# Altium PCB 主控板20160428.PcbDoc (part 2 of 2)
Units mm, origin at the board's own origin, x right, y up, seen from the top; angles counter-clockwise.
Board outline 105 x 80 mm, 2 copper layers (Top Layer, Bottom Layer); 169 components, 200 nets, 742 pads, 250 vias.
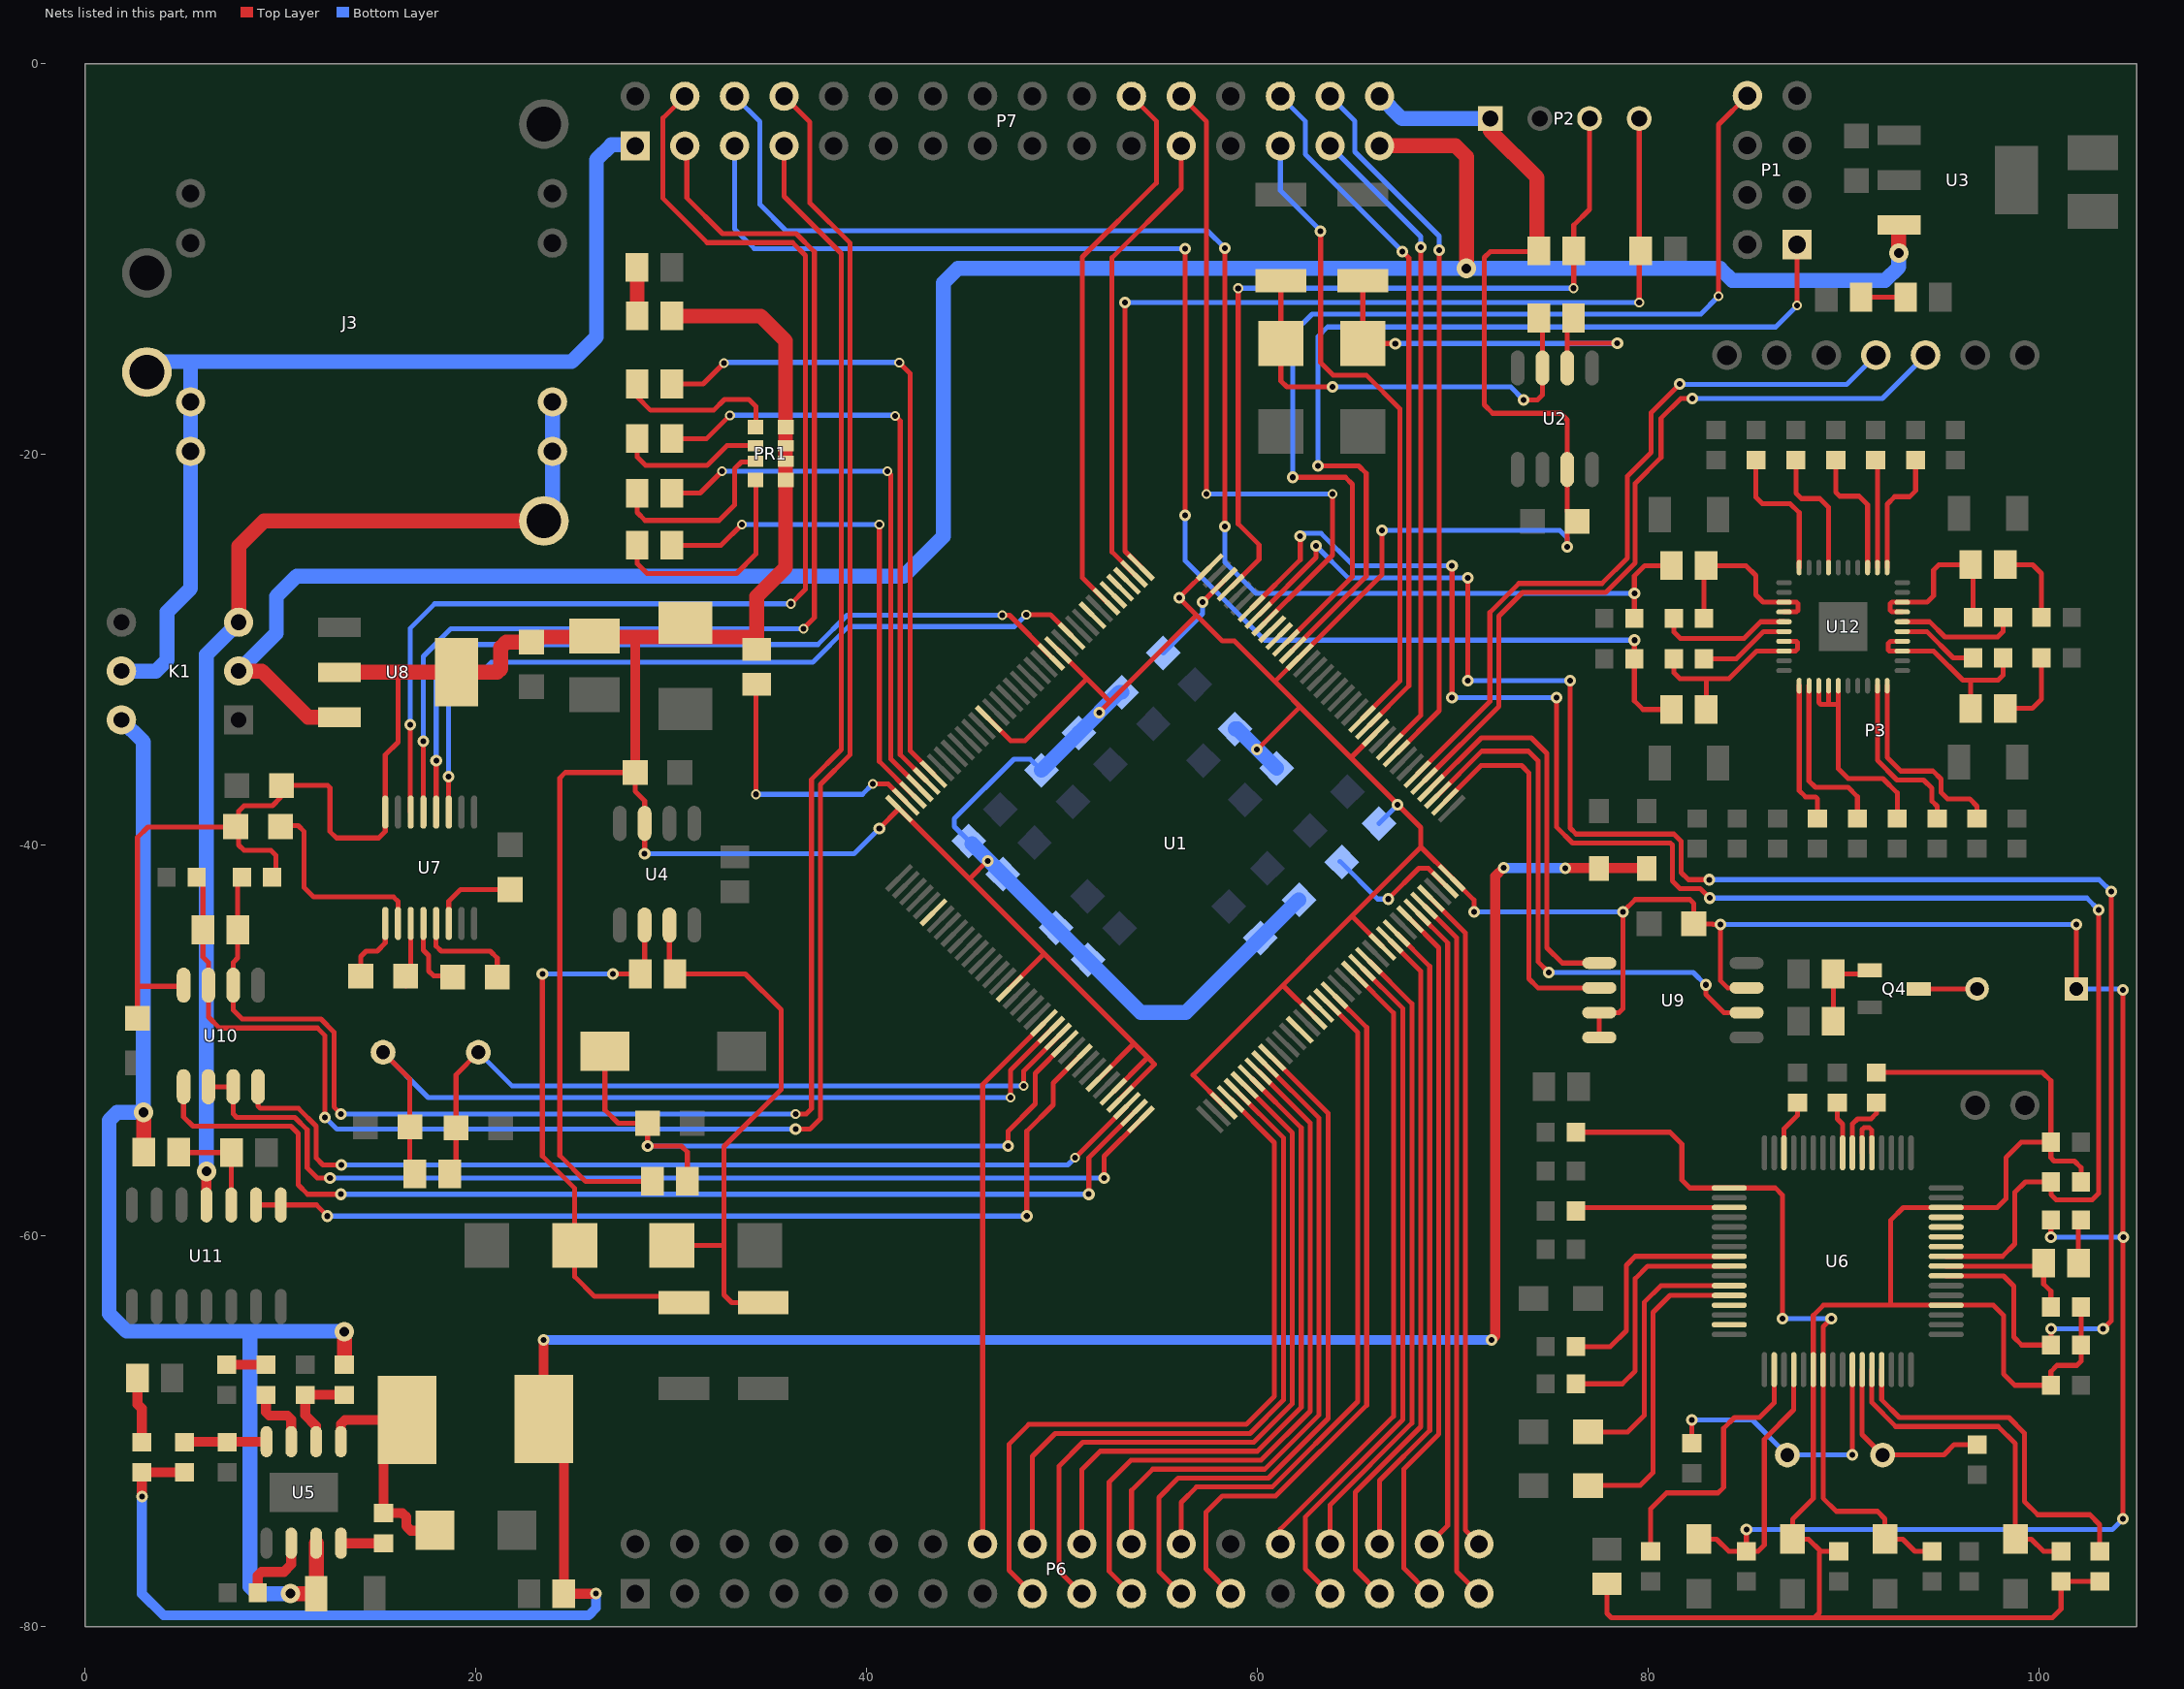
[diagram p2: the nets of this part, all layers, seen from the top]

## Via types
v1: diameter 0.6, hole 0.3, Top Layer to Bottom Layer, tented both sides, 189 vias
v2: diameter 0.5, hole 0.3, Top Layer to Bottom Layer, tented both sides, 29 vias
v3: diameter 0.8, hole 0.5, Top Layer to Bottom Layer, 17 vias
v4: diameter 1, hole 0.5, Top Layer to Bottom Layer, tented both sides, 9 vias
v5: diameter 0.6, hole 0.3, Top Layer to Bottom Layer, 6 vias

## Nets (pads, with @x,y where several pads share a name; then routed paths per layer and width w, separated by ;. In a path a pad name is that pad's centre, name@x,y a point inside that pad or via, vN(x,y) a via of type N, cw(c..) or ccw(c..) an arc to the next point about the centre after c; other vN are vias at no path point) (continued)
INPUT_10: P6.16 U1.22 | length 28
  Top Layer w0.254: P6.16@45.923,-75.768 45.923,-52.237 U1.22@49.074,-49.087
INPUT_11: P6.17 U1.40 | length 38.9
  Top Layer w0.254: P6.17@48.463,-78.308 47.269,-77.114 47.269,-70.663 48.285,-69.647 59.417,-69.647 60.858,-68.206 60.858,-55.214 U1.40@58.62,-52.976
INPUT_12: P6.18 U1.41 | length 35.3
  Top Layer w0.254: P6.18@48.463,-75.768 48.463,-71.272 49.632,-70.104 59.607,-70.104 61.316,-68.395 61.316,-54.964 U1.41@58.973,-52.622
INPUT_13: P6.19 U1.42 | length 37.6
  Top Layer w0.254: P6.19@51.003,-78.308 49.835,-77.14 49.835,-71.78 51.054,-70.561 59.796,-70.561 61.773,-68.584 61.773,-54.714 U1.42@59.327,-52.269
INPUT_14: P6.20 U1.43 | length 34.3
  Top Layer w0.254: P6.20@51.003,-75.768 51.003,-71.958 51.943,-71.018 59.985,-71.018 62.23,-68.774 62.23,-54.465 U1.43@59.68,-51.915
INPUT_15: U1.50
INPUT_16: U1.53
INPUT_17: P6.24 U1.54 | length 34.4
  Top Layer w0.254: P6.24@56.083,-75.768 56.083,-73.635 56.871,-72.847 60.743,-72.847 65.122,-68.469 65.122,-49.578 U1.54@63.569,-48.026
INPUT_18: P6.25 U1.55 | length 36.9
  Top Layer w0.254: P6.25@58.623,-78.308 57.353,-77.038 57.353,-74.143 58.191,-73.304 60.932,-73.304 65.579,-68.658 65.579,-49.328 U1.55@63.923,-47.672
INPUT_19: P6.30 U1.60 | length 32.5
  Top Layer w0.254: P6.30@63.703,-75.768 63.703,-73.766 67.894,-69.575 67.894,-48.108 U1.60@65.691,-45.905
INPUT_20: P6.31 U1.63 | length 36
  Top Layer w0.254: P6.31@66.243,-78.308 64.999,-77.064 64.999,-73.118 68.351,-69.765 68.351,-46.444 U1.63@66.751,-44.844
INPUT_21: P6.32 U1.64 | length 33
  Top Layer w0.254: P6.32@66.243,-75.768 66.243,-72.52 68.809,-69.954 68.809,-46.194 U1.64@67.105,-44.49
INPUT_22: P6.33 U1.66 | length 36.4
  Top Layer w0.254: U1.66@67.812,-43.783 69.266,-45.237 69.266,-70.144 67.488,-71.922 67.488,-77.013 P6.33@68.783,-78.308
INPUT_23: P6.34 U1.67 | length 33.4
  Top Layer w0.254: U1.67@68.166,-43.43 69.723,-44.987 69.723,-70.333 69.723,-74.828 P6.34@68.783,-75.768
INPUT_24: P6.35 U1.68 | length 36.4
  Top Layer w0.254: U1.68@68.519,-43.076 70.18,-44.737 70.18,-77.165 P6.35@71.323,-78.308
LDAC: P6.29 U1.59 | length 35.5
  Top Layer w0.254: P6.29@63.703,-78.308 62.433,-77.038 62.433,-74.39 67.437,-69.386 67.437,-48.358 U1.59@65.337,-46.258
LED1: D1.K U1.139 | length 33.4
  Top Layer w0.254: D1.K@30.531,-16.383 31.623,-16.383 v2(32.69,-15.316) ; v2(41.656,-15.291) 42.215,-15.85 42.215,-35.156 U1.139@43.417,-36.359
  Bottom Layer w0.254: v2(32.69,-15.316) 32.728,-15.278 v2@41.656,-15.278
LED2: D2.K U1.140 | length 30.8
  Top Layer w0.254: D2.K@30.531,-19.177 31.801,-19.177 v2(32.995,-17.983) ; v2(41.453,-18.009) 41.707,-18.263 41.707,-35.356 U1.140@43.063,-36.712
  Bottom Layer w0.254: v2(32.995,-17.983) v2@41.453,-17.983
LED3: D4.K U1.141 | length 27.9
  Top Layer w0.254: D4.K@30.531,-21.971 31.471,-21.971 v2(32.588,-20.853) ; v2(41.046,-20.853) 41.224,-21.031 41.224,-35.58 U1.141@42.71,-37.066
  Bottom Layer w0.254: v2(32.588,-20.853) 32.601,-20.841 v2@41.046,-20.841
LED4: D5.K U1.142 | length 25.1
  Top Layer w0.254: D5.K@30.531,-24.638 32.537,-24.638 v2(33.604,-23.571) ; v2(40.64,-23.571) 40.64,-35.703 U1.142@42.356,-37.419
  Bottom Layer w0.254: v2(33.604,-23.571) v2(40.64,-23.571)
LOAD: P6.28 U1.58 | length 32.4
  Top Layer w0.254: P6.28@61.163,-75.768 61.163,-75.013 66.95,-69.226 66.95,-48.578 U1.58@64.984,-46.612
MIC_BIAS: C68.1 U6.12 | length 16.1
  Top Layer w0.254: C68.1@76.911,-72.771 79.578,-72.771 80.239,-72.111 80.239,-63.906 81.105,-63.04 U6.12@84.137,-63.04
MIC_N: U6.13
MIC_P: U6.15
NetBEEP1_2: BEEP1.2 Q4.3 | length 3.2
  Top Layer w0.254: Q4.3@93.833,-47.523 Q4.3@94.011,-47.346 ; Q4.3@93.833,-47.346 Q4.3@94.011,-47.346 ; BEEP1.2@96.825,-47.346 Q4.3@94.011,-47.346
NetC4_2: C4.2 R12.2 U1.23 Y2.2 | length 44.3
  Top Layer w0.254: Y2.2@15.24,-50.597 16.612,-51.968 C4.2@16.612,-54.407 16.612,-56.567 R12.2@16.865,-56.82 ; v2@47.346,-52.883 47.346,-51.522 U1.23@49.427,-49.44
  Bottom Layer w0.254: Y2.2@15.24,-50.597 17.551,-52.908 v2(47.346,-52.908)
NetC5_1: C5.1 D7.2 L1.1 U5.1 | length 12.7
  Top Layer w0.508: U5.1@13.081,-70.527 13.081,-69.621 13.284,-69.418 L1.1@16.459,-69.418 15.265,-70.612 C5.1@15.265,-74.185 16.223,-74.185 16.434,-74.397 16.434,-74.854 16.662,-75.082 D7.2@17.737,-75.082
NetC5_2: C5.2 U5.8 | length 2.2
  Top Layer w0.508: U5.8@13.081,-75.727 15.264,-75.727 C5.2@15.265,-75.725
NetC10_2: C10.2 R12.1 U1.24 Y2.1 | length 38.7
  Top Layer w0.254: R12.1@18.645,-56.82 18.974,-56.491 C10.2@18.974,-54.458 18.974,-51.743 Y2.1@20.12,-50.597 ; v2(48.031,-52.324) 48.031,-51.543 U1.24@49.781,-49.794
  Bottom Layer w0.254: Y2.1@20.12,-50.597 21.847,-52.324 v2(48.031,-52.324)
NetC11_1: C11.1 R15.1 | length 2
  Top Layer w0.508: R15.1@7.239,-66.591 C11.1@9.246,-66.591
NetC11_2: C11.2 U5.3 | length 3.5
  Top Layer w0.508: C11.2@9.246,-68.131 9.246,-69.012 9.423,-69.19 10.338,-69.19 10.541,-69.393 U5.3@10.541,-70.527
NetC13_1: C13.1 U1.71 | length 7.2
  Top Layer w0.254: v1(66.675,-42.748) 68.25,-41.173 68.738,-41.173 U1.71@69.58,-42.016
  Bottom Layer w0.254: C13.1@64.211,-40.818 66.142,-42.748 v1(66.675,-42.748)
NetC14_1: C14.1 U1.106 | length 5
  Top Layer w0.254: v1(57.175,-27.55) U1.106@58.266,-26.459
  Bottom Layer w0.254: C14.1@55.169,-30.15 57.175,-28.143 v1(57.175,-27.55)
NetC18_1: C18.1 FB1.2 U12.37 U12.38 | length 10.3
  Top Layer w0.254: C18.1@81.297,-30.455 81.297,-31.158 81.61,-31.471 84.123,-31.471 85.54,-30.054 U12.38@86.942,-30.054 87.523,-30.054 87.63,-29.947 87.63,-29.616 87.567,-29.554 U12.37@86.942,-29.554 ; FB1.2@82.957,-33.043 82.957,-31.546
NetC18_2: C18.2 U12.36 | length 4.7
  Top Layer w0.254: C18.2@82.837,-30.455 84.492,-30.455 85.893,-29.054 U12.36@86.942,-29.054
NetC31_1: C31.1 U12.35 | length 6.8
  Top Layer w0.254: C31.1@81.297,-28.38 81.297,-29.075 81.636,-29.413 84.887,-29.413 85.746,-28.554 U12.35@86.942,-28.554
NetC31_2: C31.2 FB2.1 U12.33 U12.34 | length 9.9
  Top Layer w0.254: C31.2@82.837,-28.38 82.837,-25.802 FB2.1@82.957,-25.682 84.991,-25.682 85.496,-26.187 85.496,-27.178 85.872,-27.554 U12.33@86.942,-27.554 87.574,-27.554 87.655,-27.635 87.655,-27.965 87.567,-28.054 U12.34@86.942,-28.054
NetC37_1: C37.1 U7.1 | length 4.1
  Top Layer w0.254: C37.1@13.716,-46.761 C37.1@14.097,-47.142 ; C37.1@14.097,-46.685 14.097,-45.695 14.376,-45.415 14.935,-45.415 15.353,-44.998 U7.1@15.353,-43.998
NetC37_2: C37.2 U7.3 | length 3
  Top Layer w0.254: C37.2@16.256,-47.041 C37.2@16.408,-47.193 ; C37.2@16.383,-46.685 16.653,-46.416 U7.3@16.653,-43.998
NetC39_1: C39.1 U7.2 | length 10.5
  Top Layer w0.254: C39.1@9.957,-38.989 10.897,-38.989 11.201,-39.294 11.201,-42.164 11.684,-42.647 15.773,-42.647 16.003,-42.876 U7.2@16.003,-43.998
NetC41_1: C41.1 U7.4 | length 3.9
  Top Layer w0.254: U7.4@17.303,-43.998 17.303,-45.37 17.577,-45.644 17.577,-46.431 17.831,-46.685 18.745,-46.685 C41.1@18.796,-46.736
NetC41_2: C41.2 U7.5 | length 5.5
  Top Layer w0.254: U7.5@17.953,-43.998 17.953,-45.156 18.212,-45.415 20.726,-45.415 21.082,-45.771 C41.2@21.082,-46.736
NetC42_1: C42.1 U7.6 | length 4.5
  Top Layer w0.254: U7.6@18.603,-43.998 18.603,-42.865 19.202,-42.266 C42.1@21.742,-42.266
NetC48_2: C48.2 U6.18 | length 14.2
  Top Layer w0.254: C48.2@80.112,-76.141 80.112,-73.965 80.924,-73.152 83.566,-73.152 83.845,-72.873 83.845,-69.85 84.404,-69.291 85.686,-69.291 86.437,-68.54 U6.18@86.437,-66.84
NetC51_2: C51.2 U12.1 | length 7.5
  Top Layer w0.254: U12.1@87.717,-31.829 87.717,-37.196 88.036,-37.516 88.553,-37.516 88.654,-37.617 C51.2@88.654,-38.631
NetC52_1: C52.1 U12.30 | length 7.3
  Top Layer w0.254: C52.1@85.506,-20.277 85.506,-22.184 85.827,-22.504 87.249,-22.504 87.717,-22.972 U12.30@87.717,-25.779
NetC53_2: C53.2 U12.2 | length 8.8
  Top Layer w0.254: U12.2@88.217,-31.829 88.217,-36.706 88.544,-37.033 90.221,-37.033 90.695,-37.507 C53.2@90.695,-38.631
NetC56_2: C56.2 U12.3 U12.4 U12.5 | length 12
  Top Layer w0.254: U12.3@88.717,-31.829 88.717,-32.684 88.824,-32.791 89.256,-32.791 ; U12.4@89.217,-31.829 89.217,-32.753 89.256,-32.791 ; U12.5@89.717,-31.829 89.717,-32.791 ; C56.2@92.735,-38.631 92.735,-37.31 92.001,-36.576 90.221,-36.576 89.717,-36.072 89.717,-32.791 ; 89.256,-32.791 89.717,-32.791
NetC57_1: C57.1 U12.27 | length 6.7
  Top Layer w0.254: C57.1@87.547,-20.277 87.547,-21.965 87.833,-22.25 88.773,-22.25 89.217,-22.694 U12.27@89.217,-25.779
NetC62_2: C62.2 U12.9 | length 8.9
  Top Layer w0.254: U12.9@91.717,-31.829 91.717,-35.645 92.724,-36.652 94.082,-36.652 94.513,-37.084 94.513,-37.739 94.776,-38.001 C62.2@94.776,-38.631
NetC63_1: C63.1 U12.22 | length 5.5
  Top Layer w0.254: C63.1@91.63,-20.277 91.717,-20.364 U12.22@91.717,-25.779
NetC64_2: C64.2 U6.8 | length 11.7
  Top Layer w0.254: C64.2@76.284,-65.659 78.054,-65.659 78.867,-64.846 78.867,-61.493 79.32,-61.04 U6.8@84.137,-61.04
NetC65_2: C65.2 U12.10 | length 10.3
  Top Layer w0.254: U12.10@92.217,-31.829 92.217,-35.499 92.913,-36.195 94.564,-36.195 94.971,-36.601 94.971,-37.287 95.301,-37.617 96.444,-37.617 96.816,-37.99 C65.2@96.816,-38.631
NetC66_1: C66.1 U12.21 | length 6.6
  Top Layer w0.254: U12.21@92.217,-25.779 92.217,-22.54 92.608,-22.149 93.37,-22.149 93.672,-21.847 C66.1@93.672,-20.277
NetC67_2: C67.2 U6.9 | length 13.1
  Top Layer w0.254: C67.2@76.284,-67.564 78.664,-67.564 79.324,-66.904 79.324,-62.179 79.963,-61.54 U6.9@84.137,-61.54
NetC69_1: C69.1 U6.11 | length 13.7
  Top Layer w0.254: C69.1@76.911,-70.028 78.943,-70.028 79.781,-69.19 79.781,-63.398 80.64,-62.54 U6.11@84.137,-62.54
NetC76_2: C76.2 U6.26 Y1.1 | length 14.5
  Top Layer w0.254: C76.2@82.22,-70.604 v1(82.22,-69.418) ; v1(90.437,-71.208) U6.26@90.437,-66.84
  Bottom Layer w0.254: v1(82.22,-69.418) 85.319,-69.418 87.097,-71.196 Y1.1@87.109,-71.208 v1(90.437,-71.208)
NetC77_1: C77.1 U12.15 | length 4.2
  Top Layer w0.254: U12.15@92.992,-29.054 94.244,-29.054 95.594,-30.404 C77.1@96.614,-30.404
NetC77_2: C77.2 FB4.2 U12.13 U12.14 | length 10
  Top Layer w0.254: U12.14@92.992,-29.554 92.392,-29.554 92.278,-29.667 92.278,-29.997 92.334,-30.054 U12.13@92.992,-30.054 94.597,-30.054 96.09,-31.547 97.892,-31.547 98.154,-31.285 C77.2@98.154,-30.404 ; FB4.2@96.494,-32.992 96.494,-31.571
NetC78_1: C78.1 U12.16 | length 6.3
  Top Layer w0.254: U12.16@92.992,-28.554 94.39,-28.554 95.174,-29.337 97.866,-29.337 98.154,-29.05 C78.1@98.154,-28.33
NetC78_2: C78.2 FB5.1 U12.17 U12.18 | length 9.4
  Top Layer w0.254: U12.17@92.992,-28.054 92.468,-28.054 92.38,-27.965 92.38,-27.635 92.461,-27.554 U12.18@92.992,-27.554 94.265,-27.554 94.59,-27.229 94.59,-25.908 94.867,-25.631 FB5.1@96.494,-25.631 96.614,-25.751 C78.2@96.614,-28.33
NetC79_2: C79.2 U6.27 Y1.2 | length 9.8
  Top Layer w0.254: U6.27@90.937,-66.84 90.937,-70.157 91.977,-71.196 95.123,-71.196 95.639,-70.68 C79.2@96.825,-70.68
NetD1_A: D1.A PR1.1 | length 8.6
  Top Layer w0.254: D1.A@28.244,-16.383 28.245,-17.043 28.931,-17.729 32.156,-17.729 32.715,-17.17 33.96,-17.17 34.315,-17.526 PR1.1@34.315,-18.694
NetD2_A: D2.A PR1.2 | length 7.6
  Top Layer w0.254: D2.A@28.244,-19.177 28.245,-20.117 28.677,-20.549 31.826,-20.549 32.842,-19.533 PR1.2@34.315,-19.533
NetD3_A: D3.A R13.2 | length 2.3
  Top Layer w0.254: D3.A@90.882,-11.938 R13.2@93.166,-11.938
NetD4_A: D4.A PR1.3 | length 9.6
  Top Layer w0.254: D4.A@28.244,-21.971 28.245,-22.962 28.651,-23.368 32.436,-23.368 33.223,-22.581 33.223,-20.726 33.579,-20.371 PR1.3@34.315,-20.371
NetD5_A: D5.A PR1.4 | length 11.5
  Top Layer w0.254: D5.A@28.244,-24.638 28.245,-25.578 28.753,-26.086 33.325,-26.086 34.315,-25.095 PR1.4@34.315,-21.209
NetD8_A: D8.A R25.2 | length 2.5
  Top Layer w0.254: R25.2@28.237,-13.353 R25.2@28.27,-13.386
  Top Layer w0.762: D8.A@28.236,-10.407 28.244,-10.415 R25.2@28.244,-12.903
NetD11_A: D11.A R28.2 | length 2.3
  Top Layer w0.254: D11.A@102.007,-61.392 102.007,-59.312 R28.2@102.137,-59.182
NetD12_A: D12.A R29.2 | length 3.4
  Top Layer w0.508: D12.A@2.666,-67.259 2.666,-68.604 2.896,-68.834 R29.2@2.896,-70.553
NetD13_2: D13.2 F1.2 R9.2 U2.7 | length 23
  Top Layer w0.254: F1.2@61.189,-11.09 D13.2@61.189,-14.311 61.189,-16.231 61.493,-16.535 v1(63.83,-16.535) ; v1(73.609,-17.196) 74.32,-17.196 74.574,-16.942 U2.7@74.574,-15.561 74.574,-13.193 R9.2@74.387,-13.005
  Bottom Layer w0.254: v1(63.83,-16.535) 72.949,-16.535 v1(73.609,-17.196)
NetD14_2: D14.2 F2.2 R14.2 U4.7 | length 29.4
  Top Layer w0.254: U4.7@29.896,-44.078 29.896,-46.303 R14.2@30.176,-46.584 33.782,-46.584 35.611,-48.412 35.611,-52.502 32.69,-55.423 32.69,-63.017 33.081,-63.408 F2.2@34.696,-63.408 ; D14.2@30.023,-60.477 32.664,-60.477
NetD15_2: D15.2 F3.2 R9.1 U2.6 | length 21.5
  Top Layer w0.254: F3.2@65.38,-11.09 D15.2@65.38,-14.311 v1(67.045,-14.311) ; U2.6@75.844,-15.561 75.844,-14.3 ; R9.1@76.167,-13.005 75.844,-13.327 75.844,-14.3 ; v1(78.41,-14.3) 75.844,-14.3
  Bottom Layer w0.254: v1(67.045,-14.311) 78.399,-14.311 v1(78.41,-14.3)
NetD16_2: D16.2 F4.2 R14.1 U4.6 | length 29.9
  Top Layer w0.254: v1(23.393,-46.584) 23.393,-55.905 25.049,-57.561 D16.2@25.049,-60.477 25.049,-62.082 26.06,-63.094 30.318,-63.094 F4.2@30.632,-63.408 ; v1(27,-46.584) R14.1@28.396,-46.584 28.626,-46.354 U4.6@28.626,-44.078
  Bottom Layer w0.254: v1(23.393,-46.584) v1(27,-46.584)
NetQ4_1: Q4.1 R40.2 R41.2 | length 4.5
  Top Layer w0.254: R41.2@89.46,-48.997 R40.2@89.46,-46.584 91.347,-46.584 Q4.1@91.484,-46.446
NetR3_2: R3.2 R7.1 U5.2 | length 4.6
  Top Layer w0.508: U5.2@11.811,-70.527 11.811,-69.723 11.252,-69.164 R7.1@11.252,-68.131 R3.2@13.259,-68.131
NetR5_1: R5.1 R6.1 U5.4 | length 4.2
  Top Layer w0.508: R5.1@5.08,-70.553 5.107,-70.527 U5.4@9.271,-70.527
NetR8_1: R8.1 U5.6 | length 3.9
  Top Layer w0.508: R8.1@8.822,-78.257 8.822,-77.386 9.017,-77.191 10.16,-77.191 10.541,-76.81 U5.6@10.541,-75.727
NetR18_2: R18.2 U12.23 | length 6.8
  Top Layer w0.254: R18.2@89.589,-20.277 89.589,-21.923 89.789,-22.123 90.78,-22.123 91.217,-22.561 U12.23@91.217,-25.779
NetR19_2: R19.2 U6.3 | length 7.9
  Top Layer w0.254: R19.2@76.284,-58.725 76.469,-58.54 U6.3@84.137,-58.54
NetR20_1: R20.1 U1.143 | length 13.8
  Top Layer w0.254: v2(34.315,-37.389) R20.1@34.315,-31.852 ; v2(40.31,-36.855) 41.085,-36.855 U1.143@42.003,-37.773
  Bottom Layer w0.254: v2(34.315,-37.389) 39.776,-37.389 v2(40.31,-36.855)
NetR21_1: R21.1 U6.56 | length 2.7
  Top Layer w0.254: R21.1@89.662,-53.17 89.662,-54 89.937,-54.276 U6.56@89.937,-55.74
NetR22_1: R22.1 U6.55 | length 3.5
  Top Layer w0.254: U6.55@90.437,-55.74 90.437,-54.266 90.703,-54 91.389,-54 91.669,-53.721 R22.1@91.669,-53.17
NetR23_1: R23.1 U6.29 | length 18.8
  Top Layer w0.254: U6.29@91.937,-66.84 91.937,-68.38 92.849,-69.291 98.45,-69.291 99.238,-70.079 99.238,-73.584 99.924,-74.27 102.591,-74.27 103.099,-74.778 R23.1@103.099,-76.141
NetR24_2: R24.2 U6.62 | length 2.9
  Top Layer w0.254: U6.62@86.937,-55.74 86.937,-54.515 87.63,-53.823 R24.2@87.63,-53.17
NetR35_1: R35.1 R36.2 U11.3 | length 5.4
  Top Layer w0.254: R35.1@4.776,-55.702 4.802,-55.728 R36.2@7.492,-55.728 7.468,-55.752 7.468,-57.556 U11.3@7.468,-58.411
NetU6_53: U6.53 U6.54 | length 2.9
  Top Layer w0.254: U6.54@90.937,-55.74 90.937,-54.554 91.034,-54.458 91.313,-54.458 91.437,-54.582 U6.53@91.437,-55.74
PA0_RS485_TX1: U1.34 U10.4 | length 49
  Top Layer w0.254: U10.4@8.839,-52.299 8.839,-53.34 8.966,-53.467 10.908,-53.467 11.811,-54.37 11.811,-56.007 12.167,-56.363 v1(13.106,-56.363) ; v2(50.648,-55.998) U1.34@53.316,-53.329
  Bottom Layer w0.254: v1(13.106,-56.363) 50.283,-56.363 v2(50.648,-55.998)
PA1_RS485_RX1: U1.35 U10.1 | length 56.2
  Top Layer w0.254: U10.1@5.029,-52.299 5.029,-53.899 5.512,-54.381 10.529,-54.381 10.897,-54.749 10.897,-57.379 11.379,-57.861 v1(13.081,-57.861) ; v1(51.359,-57.861) 51.359,-55.994 U1.35@53.67,-53.683
  Bottom Layer w0.254: v1(13.081,-57.861) v1(51.359,-57.861)
PA2_RS485_RE1: U1.36 U10.2 U10.3 | length 53.5
  Top Layer w0.254: U10.2@6.299,-52.359 U10.3@7.569,-52.359 7.569,-53.746 7.747,-53.924 10.719,-53.924 11.354,-54.559 11.354,-56.515 11.862,-57.023 v1(12.522,-57.023) ; v1(52.146,-57.023) 52.146,-55.914 U1.36@54.024,-54.036
  Bottom Layer w0.254: v1(12.522,-57.023) v1(52.146,-57.023)
PA9_U1_TX: R17.2 U1.101 U6.39 | length 95.7
  Top Layer w0.254: U1.101@60.034,-28.227 62.992,-25.269 v1(62.992,-24.663) ; v1(70.764,-31.572) v1(70.764,-26.314) ; v1(75.997,-31.572) 75.997,-39.116 76.302,-39.421 81.305,-39.421 81.679,-39.794 81.679,-41.395 82.042,-41.758 v1(83.109,-41.758) ; U6.39@95.237,-62.04 98.184,-62.04 98.704,-62.56 98.704,-65.176 99.111,-65.583 R17.2@100.601,-65.583 v1(100.601,-64.753) ; v1(103.276,-64.745) 103.683,-64.338 v1(103.683,-42.367)
  Bottom Layer w0.254: v1(62.992,-24.663) 64.643,-26.314 v1(70.764,-26.314) ; v1(70.764,-31.572) v1(75.997,-31.572) ; v1(83.109,-41.758) 103.073,-41.758 v1(103.683,-42.367) ; v1(100.601,-64.753) v1@103.276,-64.753
PA10_U1_RX: R16.1 U1.102 U6.41 | length 88.9
  Top Layer w0.254: U1.102@59.68,-27.873 62.179,-25.375 v1(62.179,-24.181) ; v1(69.947,-32.431) v1(69.947,-25.679) ; v1(75.306,-32.431) 75.306,-39.072 76.112,-39.878 81.116,-39.878 81.222,-39.984 81.222,-41.826 81.61,-42.215 82.652,-42.215 v1(83.134,-42.697) ; U6.41@95.237,-61.04 98.116,-61.04 98.755,-60.401 98.755,-57.76 99.289,-57.226 R16.1@100.601,-57.226 100.601,-57.879 100.863,-58.141 102.718,-58.141 103.048,-57.81 v1(103.048,-43.307)
  Bottom Layer w0.254: v1(62.179,-24.181) 62.327,-24.033 63.251,-24.033 64.897,-25.679 v1(69.947,-25.679) ; v1(69.947,-32.431) v1(75.306,-32.431) ; v1(83.134,-42.697) 102.438,-42.697 v1(103.048,-43.307)
PA13-JTMS: P2.3 R11.2 U1.105 | length 42.6
  Top Layer w0.254: U1.105@58.62,-26.813 60.071,-25.361 60.071,-24.613 59.004,-23.546 v2(59.004,-11.481) ; v2(76.176,-11.48) v2(76.176,-11.48) R11.2@76.176,-9.576 76.176,-8.254 76.987,-7.442 P2.3@76.987,-2.794
  Bottom Layer w0.254: v2(59.004,-11.481) v2(76.176,-11.48)
PA14-JTCK: P2.4 R10.2 U1.109 | length 49.6
  Top Layer w0.254: v1(53.213,-12.217) 53.213,-13.589 53.213,-24.941 U1.109@54.024,-25.752 ; v2(79.527,-12.217) R10.2@79.527,-9.601 ; P2.4@79.527,-2.794 79.527,-9.501 R10.2@79.603,-9.576
  Bottom Layer w0.254: v1(53.213,-12.217) v2(79.527,-12.217)
PC6_U6_TX: P1.1 U1.96 | length 48.1
  Top Layer w0.254: U1.96@61.802,-29.995 65.557,-26.239 65.557,-20.955 65.176,-20.574 v1(63.094,-20.574) ; v2(87.605,-12.37) P1.1@87.605,-9.246
  Bottom Layer w0.254: v1(63.094,-20.574) 63.094,-13.945 63.576,-13.462 86.512,-13.462 v2(87.605,-12.37)
PC7_U6_RX: P1.8 U1.97 | length 53.6
  Top Layer w0.254: U1.97@61.448,-29.641 64.846,-26.243 64.846,-21.514 64.491,-21.158 v1(61.798,-21.158) ; v2(83.591,-11.887) 83.591,-3.099 P1.8@85.065,-1.626
  Bottom Layer w0.254: v1(61.798,-21.158) 61.798,-13.792 62.789,-12.802 82.677,-12.802 v2(83.591,-11.887)
PC8_SDIO_0: U1.98
PC9_SDIO_1: U1.99
PC10_SDIO_2: U1.111
PC11_SDIO_3: U1.112
PC12_SDIO_CK: U1.113
PD2_SDIO_CMD: U1.116
PD5_U2_TX: U1.119 U7.11 | length 39.7
  Top Layer w0.254: v5(18.593,-36.474) 18.593,-38.288 U7.11@18.603,-38.298 ; v2(48.158,-28.194) 49.394,-28.194 U1.119@50.488,-29.288
  Bottom Layer w0.254: v5(18.593,-36.474) 18.593,-32.817 20.777,-30.632 37.223,-30.632 39.055,-28.8 47.553,-28.8 v2(48.158,-28.194)
PD6_U2_RX: U1.122 U7.12 | length 40.5
  Top Layer w0.254: U7.12@17.953,-38.298 17.958,-38.293 v5(17.958,-35.662) ; v2(46.939,-28.219) 47.299,-28.219 U1.122@49.427,-30.348
  Bottom Layer w0.254: v5(17.958,-35.662) 17.958,-31.572 19.812,-29.718 37.49,-29.718 38.989,-28.219 v2(46.939,-28.219)
POWER_ADC: U1.27 U11.1 U11.2 | length 48.9
  Top Layer w0.254: U11.2@8.738,-58.411 U11.1@10.008,-58.411 11.827,-58.411 v1(12.395,-58.979) ; v1(48.184,-58.979) 48.184,-54.635 49.534,-53.285 49.534,-52.162 U1.27@50.842,-50.854
  Bottom Layer w0.254: v1(12.395,-58.979) v1(48.184,-58.979)
PWM1: P7.30 U1.81 | length 36.9
  Top Layer w0.254: U1.81@67.105,-35.298 69.291,-33.112 v1(69.291,-9.525)
  Bottom Layer w0.254: P7.30@63.703,-1.651 64.973,-2.921 64.973,-4.496 69.291,-8.814 v1(69.291,-9.525)
PWM2: P7.29 U1.82 | length 33.3
  Top Layer w0.254: U1.82@66.751,-34.944 68.351,-33.344 v1(68.351,-9.373)
  Bottom Layer w0.254: P7.29@63.703,-4.191 68.351,-8.839 v1(68.351,-9.373)
PWM3: P7.28 U1.85 | length 35.8
  Top Layer w0.254: U1.85@65.691,-33.884 67.742,-31.833 67.742,-9.931 v1(67.412,-9.601)
  Bottom Layer w0.254: P7.28@61.163,-1.651 62.433,-2.921 62.433,-4.623 v1(67.412,-9.601)
PWM4: P7.27 U1.86 | length 33.7
  Top Layer w0.254: v1(63.221,-8.56) 63.221,-15.291 63.856,-15.926 65.557,-15.926 67.285,-17.653 67.285,-31.583 U1.86@65.337,-33.53
  Bottom Layer w0.254: P7.27@61.163,-4.191 61.163,-6.477 v1@63.221,-8.534
QYG_KC1: P6.36 U1.69 | length 34.1
  Top Layer w0.254: U1.69@68.873,-42.723 70.637,-44.487 70.637,-75.057 71.323,-75.743 P6.36@71.323,-75.768
RDY: D11.K R26.2 U6.40 | length 7.5
  Top Layer w0.254: U6.40@95.237,-61.54 D11.K@100.46,-61.54 ; D11.K@100.227,-61.54 100.227,-62.458 100.597,-62.828 R26.2@100.597,-63.627
RESET: C1.1 R4.1 RESET1.1 U1.25 | length 35.2
  Top Layer w0.254: RESET1.1@26.594,-50.546 26.594,-53.543 27.28,-54.229 C1.1@28.778,-54.229 v1(28.778,-55.397) 30.505,-55.397 30.811,-55.703 R4.1@30.811,-57.201 ; v1(47.223,-55.397) 47.223,-54.631 48.616,-53.238 48.616,-51.666 U1.25@50.134,-50.147
  Bottom Layer w0.254: v1@28.804,-55.397 v1(47.223,-55.397)
RESET_YY: C82.1 R27.2 U6.28 | length 17.4
  Top Layer w0.254: U6.28@91.437,-66.84 91.437,-68.527 92.659,-69.748 97.892,-69.748 98.781,-70.637 C82.1@98.781,-75.514 99.593,-75.514 100.22,-76.141 R27.2@101.117,-76.141
RS485_1A: P7.7 R32.2 R33.1 U10.6 | length 92.2
  Top Layer w0.254: R32.2@7.848,-41.681 7.799,-41.73 R33.1@7.799,-44.323 7.799,-45.77 7.569,-45.999 7.569,-48.438 8.026,-48.895 12.065,-48.895 12.725,-49.555 12.725,-53.391 v1(13.081,-53.746) ; P7.7@35.763,-4.191 35.763,-6.782 38.688,-9.707 38.688,-35.099 37.164,-36.623 37.164,-53.488 36.906,-53.746 v2(36.347,-53.746)
  Bottom Layer w0.254: v1(13.081,-53.746) v2(36.347,-53.746)
RS485_1B: P7.8 R33.2 R34.1 U10.7 | length 98.1
  Top Layer w0.254: R34.1@5.691,-41.681 6.019,-42.01 R33.2@6.019,-44.323 6.019,-45.719 6.299,-45.999 6.299,-48.793 6.858,-49.352 11.876,-49.352 12.268,-49.745 v1(12.268,-53.924) ; P7.8@35.763,-1.651 37.084,-2.972 37.084,-7.112 39.145,-9.173 39.145,-35.355 37.621,-36.879 37.621,-53.996 37.084,-54.534 v1(36.347,-54.534)
  Bottom Layer w0.254: v1(12.268,-53.924) 12.878,-54.534 v1(36.347,-54.534)
SPEEKL+: C81.2 FB5.2 | length 4.3
  Top Layer w0.254: FB5.2@98.274,-25.631 99.672,-25.631 100.119,-26.078 C81.2@100.119,-28.33
SPEEKL-: C80.2 FB4.1 | length 4.2
  Top Layer w0.254: FB4.1@98.274,-32.992 99.647,-32.992 100.119,-32.52 C80.2@100.119,-30.404
SPEEKR+: C17.2 FB2.2 P7.6 | length 72.8
  Top Layer w0.254: v1(58.318,-23.673) v1(58.318,-9.423) ; C17.2@79.281,-28.38 v1(79.281,-27.102) 79.281,-26.205 79.804,-25.682 FB2.2@81.177,-25.682
  Bottom Layer w0.254: P7.6@33.223,-1.651 34.519,-2.946 34.519,-7.188 35.865,-8.534 57.429,-8.534 v1(58.318,-9.423) ; v1(58.318,-23.673) 58.318,-25.502 59.919,-27.102 v1(79.281,-27.102)
SPEEKR-: C16.2 FB1.1 P7.5 | length 73.6
  Top Layer w0.254: v1(56.286,-23.114) v1(56.286,-9.449) ; v1(79.281,-29.497) C16.2@79.281,-30.455 79.281,-32.596 79.728,-33.043 FB1.1@81.177,-33.043
  Bottom Layer w0.254: P7.5@33.223,-4.191 33.223,-8.433 34.239,-9.449 v1(56.286,-9.449) ; v1(56.286,-23.114) 56.286,-25.425 60.358,-29.497 v1(79.281,-29.497)
SPI2_MISO: U1.75 U9.2 | length 28.6
  Top Layer w0.254: U1.75@69.226,-37.419 71.467,-35.179 73.863,-35.179 74.346,-35.662 74.346,-45.949 v1(74.905,-46.507) ; v1(82.931,-47.142) 82.931,-47.623 83.873,-48.565 U9.2@85.023,-48.565
  Bottom Layer w0.254: v1(74.905,-46.507) 82.296,-46.507 v1(82.931,-47.142)
SPI2_MOSI: U1.76 U9.5 | length 20.3
  Top Layer w0.254: U1.76@68.873,-37.066 71.445,-34.493 74.011,-34.493 74.803,-35.285 74.803,-45.237 75.59,-46.025 U9.5@77.487,-46.025
SPI2_SCK: U1.74 U9.6 | length 19.6
  Top Layer w0.254: U1.74@69.58,-37.773 71.437,-35.916 73.508,-35.916 73.889,-36.297 73.889,-46.838 74.346,-47.295 U9.6@77.487,-47.295
SPI_CLK: U6.42
SPI_CS: U6.43
SPI_MISO: U6.45
SPI_MOSI: U6.44
SSD_KC1: P7.24 U1.100 | length 35.3
  Top Layer w0.254: P7.24@56.083,-1.651 57.379,-2.946 v2(57.379,-22.022) ; U1.100@60.388,-28.58 62.662,-26.306 63.83,-25.138 v2(63.83,-22.022)
  Bottom Layer w0.254: v2(57.379,-22.022) v2(63.83,-22.022)
SSD_KC2: P7.23 U1.110 | length 23.8
  Top Layer w0.254: U1.110@53.67,-26.106 52.549,-24.984 52.549,-17.467 52.549,-9.91 56.083,-6.375 P7.23@56.083,-4.191
SSD_KC3: P7.22 U1.114 | length 28.5
  Top Layer w0.254: U1.114@52.256,-27.52 51.029,-26.293 51.029,-9.881 54.813,-6.096 54.813,-2.921 P7.22@53.543,-1.651
TXX_KC1: P6.21 U1.44 | length 36.5
  Top Layer w0.254: P6.21@53.543,-78.308 52.4,-77.165 52.4,-72.593 53.518,-71.476 60.175,-71.476 62.687,-68.963 62.687,-54.215 U1.44@60.034,-51.561
TXX_KC2: P6.22 U1.45 | length 33
  Top Layer w0.254: P6.22@53.543,-75.768 53.543,-73.025 54.635,-71.933 60.364,-71.933 63.144,-69.153 63.144,-53.965 U1.45@60.388,-51.208
TXX_KC3: P6.23 U1.46 | length 35.4
  Top Layer w0.254: P6.23@56.083,-78.308 54.94,-77.165 54.94,-73.381 55.931,-72.39 60.554,-72.39 63.602,-69.342 63.602,-53.715 U1.46@60.741,-50.854
U2_RX: P7.3 U7.13 | length 57.9
  Top Layer w0.254: v5(17.297,-34.671) 17.297,-38.293 U7.13@17.303,-38.298 ; P7.3@30.683,-4.191 30.785,-4.293 30.785,-6.858 32.614,-8.687 36.384,-8.687 37.317,-9.619 37.317,-28.342 v2(36.754,-28.905)
  Bottom Layer w0.254: v5(17.297,-34.671) 17.297,-30.328 18.72,-28.905 v2(36.754,-28.905)
U2_TX: P7.4 U7.14 | length 61.8
  Top Layer w0.254: v5(16.637,-33.833) 16.637,-38.282 U7.14@16.653,-38.298 ; P7.4@30.683,-1.651 29.566,-2.769 29.566,-6.883 31.826,-9.144 36.195,-9.144 36.859,-9.808 36.859,-26.895 v2(36.119,-27.635)
  Bottom Layer w0.254: v5(16.637,-33.833) 16.637,-28.88 17.882,-27.635 v2(36.119,-27.635)
U3_RX: P3.4 U1.78 | length 38.7
  Top Layer w0.254: U1.78@68.166,-36.359 71.882,-32.642 71.882,-28.081 73.369,-26.594 77.622,-26.594 78.918,-25.298 78.918,-21.107 80.137,-19.888 80.137,-17.856 v1(81.61,-16.383)
  Bottom Layer w0.254: v1@81.61,-16.408 90.145,-16.408 P3.4@91.643,-14.91
U3_TX: P3.5 U1.77 | length 41
  Top Layer w0.254: U1.77@68.519,-36.712 72.339,-32.892 72.339,-28.27 73.558,-27.051 77.812,-27.051 79.324,-25.539 79.324,-21.463 80.645,-20.142 80.645,-18.136 81.661,-17.12 v1(82.245,-17.12) ; P3.5@94.132,-14.961 P3.5@94.183,-14.91
  Bottom Layer w0.254: v1(82.245,-17.12) 91.973,-17.12 P3.5@94.183,-14.91
VBAT: U1.6
VCC: J3.3 K1.3 U11.4 | length 56.8
  Top Layer w0.508: U11.4@6.198,-58.268 v4(6.198,-56.693)
  Top Layer w0.762: K1.3@7.849,-28.579 7.849,-24.689 9.144,-23.393 J3.3@23.47,-23.393 ; J3.3@23.495,-23.393 J3.3@23.495,-23.292
  Bottom Layer w0.762: v4(6.198,-56.693) 6.198,-30.23 K1.3@7.849,-28.579 ; J3.3@23.47,-23.393 23.909,-22.954 J3.3@23.909,-19.837 J3.3@23.909,-17.297
VCC3.3: BEEP1.1 C2.1 C3.1 C19.2 C20.2 C21.2 C22.2 C23.2 C24.2 C25.2 C26.2 C27.2 C28.2 C29.2 C30.2 C36.2 C38.1 C39.2 C40.2 C43.1 C44.1 C70.1 C71.1 D6.2 P2.1 P7.32 PR1.5 PR1.6 PR1.7 PR1.8 R4.2 R11.1 R20.2 R25.1 R28.1 R32.1 U1.17 U1.30 U1.32 U1.33 U1.39 U1.52 U1.62 U1.72 U1.84 U1.95 U1.108 U1.121 U1.131 U1.144 U2.3 U4.3 U6.20 U7.16 U8.2 U9.3 U9.7 U9.8 U10.8 | length 452.8
  Top Layer w0.254: C44.1@2.667,-48.844 2.667,-47.219 ; U10.8@5.029,-47.219 2.667,-47.219 ; R32.1@9.755,-41.681 9.755,-40.514 9.5,-40.259 8.128,-40.259 7.849,-39.98 C39.2@7.849,-39.065 ; 16.002,-31.14 16.002,-34.722 15.353,-35.371 U7.16@15.353,-38.298 15.353,-39.283 15.011,-39.624 12.852,-39.624 12.522,-39.294 12.522,-37.059 12.395,-36.932 C36.2@10.033,-36.932 9.982,-36.982 9.982,-37.567 9.576,-37.973 8.128,-37.973 7.849,-38.252 C39.2@7.849,-39.065 ; v1(28.626,-40.437) U4.3@28.626,-38.878 28.626,-37.719 28.143,-37.236 C3.1@28.143,-36.271 24.562,-36.271 24.282,-36.551 24.282,-55.88 25.603,-57.201 R4.2@29.031,-57.201 ; v1(40.64,-39.136) U1.144@41.649,-38.126 45.288,-41.765 ; v1(46.177,-40.792) 45.288,-41.681 45.288,-41.765 ; U1.131@46.245,-33.53 47.361,-34.646 48.082,-34.646 51.257,-31.471 ; U1.17@47.306,-47.319 49.066,-45.559 ; U1.121@49.781,-29.995 51.257,-31.471 ; v1(51.892,-33.198) 56.857,-28.233 56.857,-28.207 ; U1.30@51.902,-51.915 53.662,-50.155 ; 52.425,-32.639 51.257,-31.471 ; U1.32@52.609,-52.622 54.304,-50.927 54.45,-50.927 ; U1.33@52.963,-52.976 54.729,-51.209 54.45,-50.93 54.45,-50.927 ; U1.108@57.559,-25.752 v1(55.981,-27.33) 56.857,-28.207 ; U1.39@58.266,-53.329 56.693,-51.756 68.351,-40.097 68.351,-40.08 ; v1(59.969,-35.103) 62.131,-32.941 ; 60.92,-31.584 U1.95@62.155,-30.348 66.37,-26.133 v1(66.37,-23.876) ; 61.306,-47.177 U1.52@62.862,-48.733 ; 64.872,-43.671 U1.62@66.398,-45.197 ; U1.84@66.044,-34.237 64.772,-35.509 ; v1(71.069,-43.409) 71.069,-42.798 U1.72@69.933,-41.662 68.351,-40.08 ; R11.1@74.295,-9.601 71.907,-9.601 71.603,-9.906 71.603,-17.45 72.034,-17.882 75.514,-17.882 75.844,-18.212 U2.3@75.844,-20.761 75.844,-22.911 C2.1@76.352,-23.419 75.844,-23.927 v1(75.844,-24.714) ; U9.8@77.487,-49.835 U9.7@77.487,-48.565 78.486,-48.565 78.692,-48.359 78.692,-43.411 v1(78.689,-43.409) 79.324,-42.774 82.118,-42.774 82.321,-42.977 C43.1@82.321,-44.018 83.287,-44.018 83.312,-44.044 v1(83.693,-44.044) 83.693,-46.939 84.049,-47.295 U9.3@85.023,-47.295 ; C70.1@82.575,-75.514 83.49,-75.514 84.117,-76.141 C71.1@85.014,-76.141 ; v1(85.014,-75.032) C71.1@85.014,-76.141 ; U6.20@87.437,-66.84 87.437,-68.9 85.928,-70.409 85.928,-75.819 85.606,-76.141 C71.1@85.014,-76.141 ; v1(100.597,-60.058) R28.1@100.597,-59.182 ; BEEP1.1@101.905,-47.346 v1(101.905,-44.044) ; v1(104.292,-74.473) v1(104.292,-47.396) ; 2.667,-47.219 2.667,-39.599 3.2,-39.065 C39.2@7.849,-39.065 ; 45.288,-41.765 54.45,-50.927 ; 56.857,-28.207 58.191,-29.54 58.803,-29.54 64.772,-35.509 ; 64.772,-35.509 68.351,-39.088 68.351,-40.08
  Top Layer w0.508: 28.118,-29.337 28.143,-29.362 C3.1@28.143,-36.271
  Top Layer w0.762: U8.2@13.008,-31.14 16.002,-31.14 21.082,-31.14 21.26,-30.963 21.26,-29.87 21.539,-29.591 C40.2@22.835,-29.591 ; C40.2@22.86,-29.82 23.343,-29.337 28.118,-29.337 34.087,-29.337 R20.2@34.315,-29.566 ; R25.1@30.024,-12.903 34.569,-12.903 35.839,-14.173 35.839,-25.781 34.366,-27.254 R20.2@34.366,-29.971 ; P2.1@71.907,-2.794 71.907,-3.429 74.295,-5.817 R11.1@74.295,-9.601
  Bottom Layer w0.254: v1(28.626,-40.437) 39.339,-40.437 v1(40.64,-39.136) ; C30.2@45.212,-39.776 44.475,-39.04 44.475,-38.633 47.523,-35.585 48.362,-35.585 C29.2@48.93,-36.153 ; v1@55.981,-27.406 v1(55.981,-27.33) ; C24.2@66.209,-38.878 v1@67.183,-37.904 ; v1(66.37,-23.876) 75.463,-23.876 75.844,-24.257 v1(75.844,-24.714) ; v1(71.069,-43.409) v1(78.689,-43.409) ; v1(83.693,-44.044) v1(101.905,-44.044) ; v1(85.014,-75.032) 103.734,-75.032 v1(104.292,-74.473) ; v1(100.597,-60.058) v1(104.306,-60.058) ; BEEP1.1@101.905,-47.346 104.242,-47.346 v1(104.292,-47.396)
  Bottom Layer w0.762: C30.2@45.374,-39.92 C20.2@49.675,-44.221 C21.2@51.317,-45.863 54.019,-48.565 56.319,-48.565 C22.2@60.138,-44.746 62.094,-42.79 C23.2@62.119,-42.79 ; C29.2@48.93,-36.153 C28.2@50.844,-34.239 52.917,-32.166 C27.2@53.044,-32.166 ; C26.2@58.843,-34.045 58.97,-34.045 C25.2@60.976,-36.052 ; P7.32@66.243,-1.651 67.386,-2.794 P2.1@71.907,-2.794
  other v1: 67.158,-37.929
VCC12: C9.2 D9.1 D10.1 L1.2 R5.2 R29.1 | length 128.3
  Top Layer w0.508: v1(2.896,-73.33) R29.1@2.896,-72.093 R5.2@5.08,-72.093 ; v1(23.459,-65.314) L1.2@23.459,-69.362 24.502,-70.405 24.502,-78.308 v1(26.137,-78.308) ; v1(71.969,-65.314) 72.157,-65.126 72.157,-41.585 v1(72.593,-41.148) ; v1(75.753,-41.163) 77.469,-41.163 D9.1@79.907,-41.163
  Bottom Layer w0.508: v1(2.896,-73.33) 2.896,-78.308 4.003,-79.416 25.766,-79.416 26.137,-79.045 v1(26.137,-78.308) ; v1(23.459,-65.314) v1(71.969,-65.314) ; v1(72.593,-41.148) 72.608,-41.163 v1(75.753,-41.163)
VCC24: J3.2 K1.5 P7.1 | length 54.5
  Top Layer w0.762: J3.2@2.616,-16.231 J3.2@3.175,-15.672 ; J3.2@3.048,-16.637 J3.2@3.175,-16.51
  Bottom Layer w0.762: K1.5@1.849,-31.079 3.618,-31.079 4.191,-30.505 4.191,-28.042 5.385,-26.848 J3.2@5.385,-19.837 J3.2@5.385,-17.297 5.385,-15.291 5.436,-15.24 ; J3.2@3.15,-15.773 3.683,-15.24 5.436,-15.24 ; P7.1@28.143,-4.191 28.092,-4.14 26.924,-4.14 26.162,-4.902 26.162,-13.97 24.892,-15.24 5.436,-15.24
VCC24_T: C8.1 K1.6 R3.1 R35.2 U5.7 | length 67.7
  Top Layer w0.762: v4(2.972,-53.67) 2.996,-53.695 R35.2@2.996,-55.702 ; v4(10.49,-78.308) C8.1@11.82,-78.308 11.82,-75.735 U5.7@11.811,-75.727 ; R3.1@13.259,-66.591 v4(13.259,-64.897)
  Bottom Layer w0.762: K1.6@1.849,-33.579 2.972,-34.702 v4(2.972,-53.67) 1.626,-53.67 1.219,-54.077 1.219,-63.983 2.108,-64.872 8.433,-64.872 ; v4(10.49,-78.308) 8.788,-78.308 8.433,-77.953 8.433,-64.872 ; v4(13.259,-64.897) 13.238,-64.876 8.438,-64.876 8.433,-64.872
VCC_T: K1.2 P7.31 U3.3 U8.3 | length 121.5
  Top Layer w0.762: K1.2@7.737,-31.039 K1.2@7.849,-31.039 ; K1.2@7.849,-31.079 9.032,-31.079 11.393,-33.44 U8.3@13.008,-33.44 ; P7.31@66.243,-4.191 70.129,-4.191 70.688,-4.75 v4(70.688,-10.465) ; v4(92.812,-9.677) 92.812,-8.247 U3.3@92.815,-8.244
  Bottom Layer w0.762: K1.2@7.849,-31.079 9.779,-29.148 9.779,-27.254 10.82,-26.213 41.885,-26.213 43.917,-24.181 43.917,-11.201 44.653,-10.465 v4(70.688,-10.465) 83.668,-10.465 84.277,-11.074 92.126,-11.074 92.812,-10.389 v4(92.812,-9.677)
VDD12: C34.1 C58.1 C59.1 U6.1 U6.23 | length 38.5
  Top Layer w0.254: C34.1@76.284,-54.686 81.102,-54.686 81.712,-55.296 81.712,-57.125 82.127,-57.54 U6.1@84.137,-57.54 86.496,-57.54 86.868,-57.912 v1(86.868,-64.237) ; v1(89.357,-64.237) 88.937,-64.656 U6.23@88.937,-66.84 88.937,-73.418 89.611,-74.092 91.719,-74.092 92.1,-74.473 C58.1@92.1,-75.514 93.015,-75.514 93.642,-76.141 C59.1@94.513,-76.141
  Bottom Layer w0.254: v1(86.868,-64.237) v1(89.357,-64.237)
VDD33: C32.1 C33.1 C49.1 C50.1 FB3.2 R16.2 R17.1 R22.2 R23.2 R26.1 R27.1 U6.22 U6.36 U6.46 | length 98.5
  Top Layer w0.254: FB3.2@77.876,-77.801 77.876,-79.314 78.105,-79.543 88.504,-79.543 ; C50.1@89.738,-76.141 88.816,-76.141 ; R22.2@91.669,-51.63 100.17,-51.63 100.597,-52.058 C33.1@100.597,-55.194 ; R26.1@102.137,-63.627 102.141,-63.631 R17.1@102.141,-65.583 102.141,-66.413 101.93,-66.624 100.914,-66.624 100.597,-66.941 C32.1@100.597,-67.64 98.755,-67.64 98.171,-67.056 98.171,-64.059 97.652,-63.54 U6.36@95.237,-63.54 92.405,-63.54 ; R16.2@102.141,-57.226 102.141,-56.498 101.803,-56.159 100.762,-56.159 100.597,-55.995 C33.1@100.597,-55.194 ; R23.2@103.099,-77.681 R27.1@101.117,-77.681 101.117,-79.096 100.67,-79.543 88.504,-79.543 ; 88.504,-79.543 88.748,-79.299 88.748,-76.209 88.816,-76.141 ; 88.816,-76.141 88.189,-75.514 C49.1@87.376,-75.514 87.376,-74.498 88.437,-73.437 U6.22@88.437,-66.84 88.437,-64.064 88.961,-63.54 92.405,-63.54 ; 92.405,-63.54 92.405,-59.182 93.047,-58.54 U6.46@95.237,-58.54 97.848,-58.54 98.298,-58.09 98.298,-55.982 99.085,-55.194 C33.1@100.597,-55.194
pads on no net: K1.1 K1.4 P1.2 P1.3 P1.6 P3.0 U1.1 U1.2 U1.7 U1.8 U1.9 U1.26 U1.47 U1.49 U1.65 U1.70 U1.79 U1.80 U1.87 U1.88 U1.89 U1.90 U1.91 U1.92 U1.93 U1.123 U1.124 U1.127 U2.5 U4.5 U5.0 U6.5 U6.6 U6.19 U6.30 U6.31 U6.32 U6.33 U6.34 U6.35 U6.38 U6.58 U6.61 U6.63 U7.7 U7.8 U7.9 U7.10 U11.12 U11.13 U11.14 U12.0
copper on no net:
  other v3: 9.906,-73.635 10.753,-73.635 11.599,-73.635 12.446,-73.635 9.906,-72.619 10.753,-72.619 11.599,-72.619 12.446,-72.619 89.129,-29.667 89.967,-29.667 90.805,-29.667 89.129,-28.804 89.967,-28.804 90.805,-28.804 89.129,-27.94 89.967,-27.94 90.805,-27.94

## Polygon pours and split planes (outlines as drawn)
GND on Top Layer "Top Layer-No Net" (hatched 90Degree grid 0.2 track 0.2, remove dead copper, pour order 6): 0,0 105,0 105,-80 0,-80 0,0
GND on Bottom Layer "Top Layer-No Net" (hatched 90Degree grid 0.2 track 0.2, remove dead copper, pour order 8): 0,0 105,0 105,-80 0,-80 0,0

## Keep-outs
Keep-Out Layer:
  the board outline again, w0.254

## Other copper
Top Layer:
  pour cut-out: 16.459,-65.862 16.485,-65.888 23.459,-65.888 23.459,-72.858 23.444,-72.873 16.459,-72.873
  pour cut-out: 94.31,-25.121 94.336,-25.146 94.336,-32.461 94.386,-32.512 86.181,-32.512 86.079,-32.614 86.079,-25.122 86.081,-25.121
  pour cut-out: 90.043,-32.233 91.465,-32.233 91.465,-33.909 91.491,-33.934 90.17,-33.934 90.068,-33.833 90.068,-32.258
Bottom Layer:
  pour cut-out: 16.459,-65.888 23.444,-65.888 23.444,-72.873 16.459,-72.873

## Silkscreen, mask and mechanical layers (free items; w line width, h text height)
Top Overlay:
  lines w0.1: 14.554,-64.135 14.554,-65.049 ; 15.418,-65.049 14.554,-65.049 ; 16.104,-63.5 14.554,-65.049
  lines w0.2: 88.875,-10.516 105.029,-10.516 105.029,-0.356 88.875,-0.356
  text "RX" at 89.764,-0.838 h1 r270
  text "GND" at 91.77,-2.032 h1
  text "3.3V" at 69.85,-8.026 h2
  text "GND" at 73.812,-8.052 h2
  text "3.3" at 89.332,-8.179 h1 r270
  text "TX" at 90.907,-8.382 h1 r270
Bottom Overlay:
  text "CPU板V2.0-170901" at 61.316,-65.811 h2
  text "http://www.chenghe.info/" at 64.084,-68.631 h2

## Text inside footprints (layer, text, board x,y; h text height)
J3: Top Overlay "5" at 19.507,-2.718 h1 r270; Top Overlay "3" at 19.761,-23.266 h1 r270; Top Overlay "2" at 6.096,-15.748 h1 r270; Top Overlay "1" at 6.045,-10.414 h1 r270